# KiCad board VME_Backplane_3ActPas.kicad_pcb
title: 3 SLOT VMEBUS BACKPLANE W/ ACTIVE AND PASSIVE TERM.; date: 2024-01-04; rev: 1; company: TOM STOREY; note: FREE FOR NON-COMMERCIAL USE
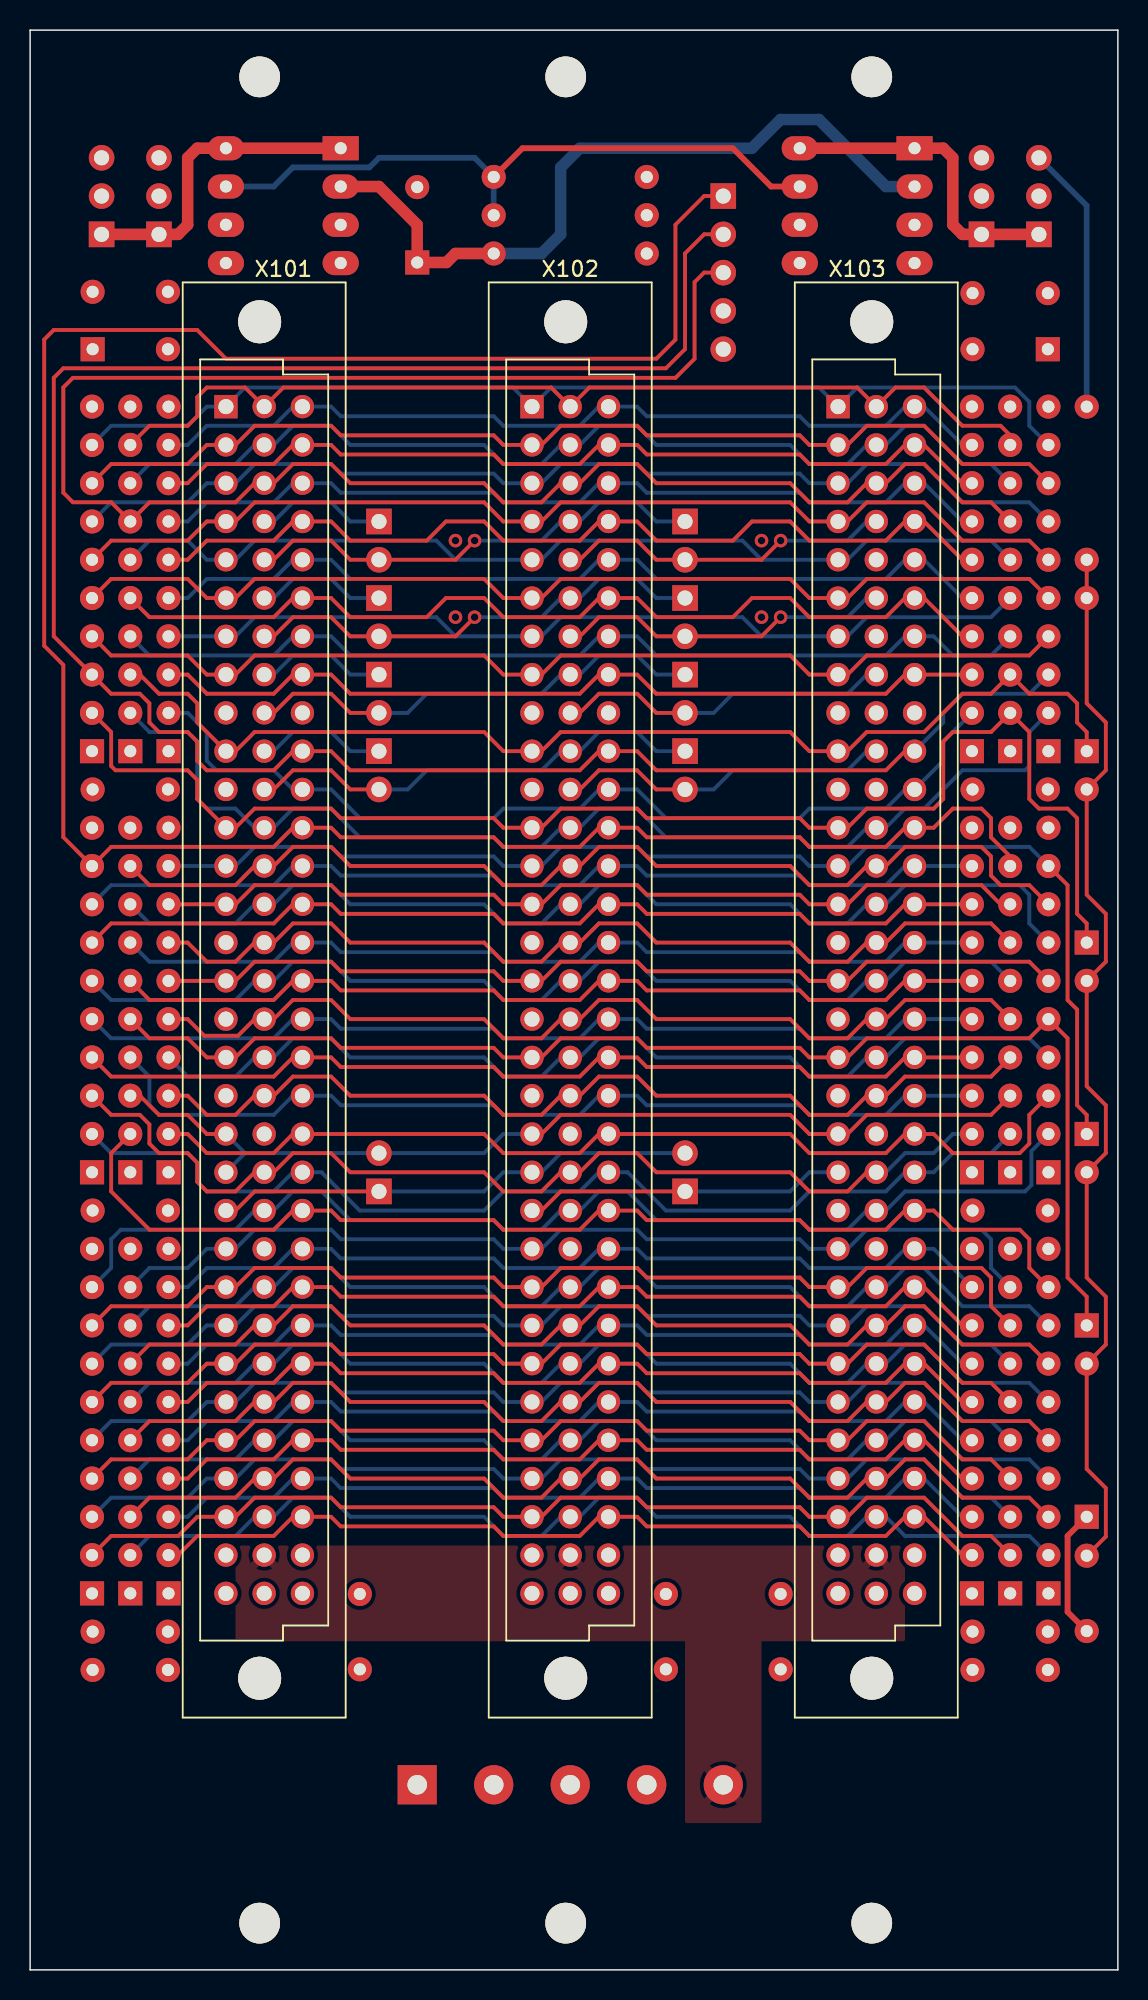
[diagram p0: board, top side]
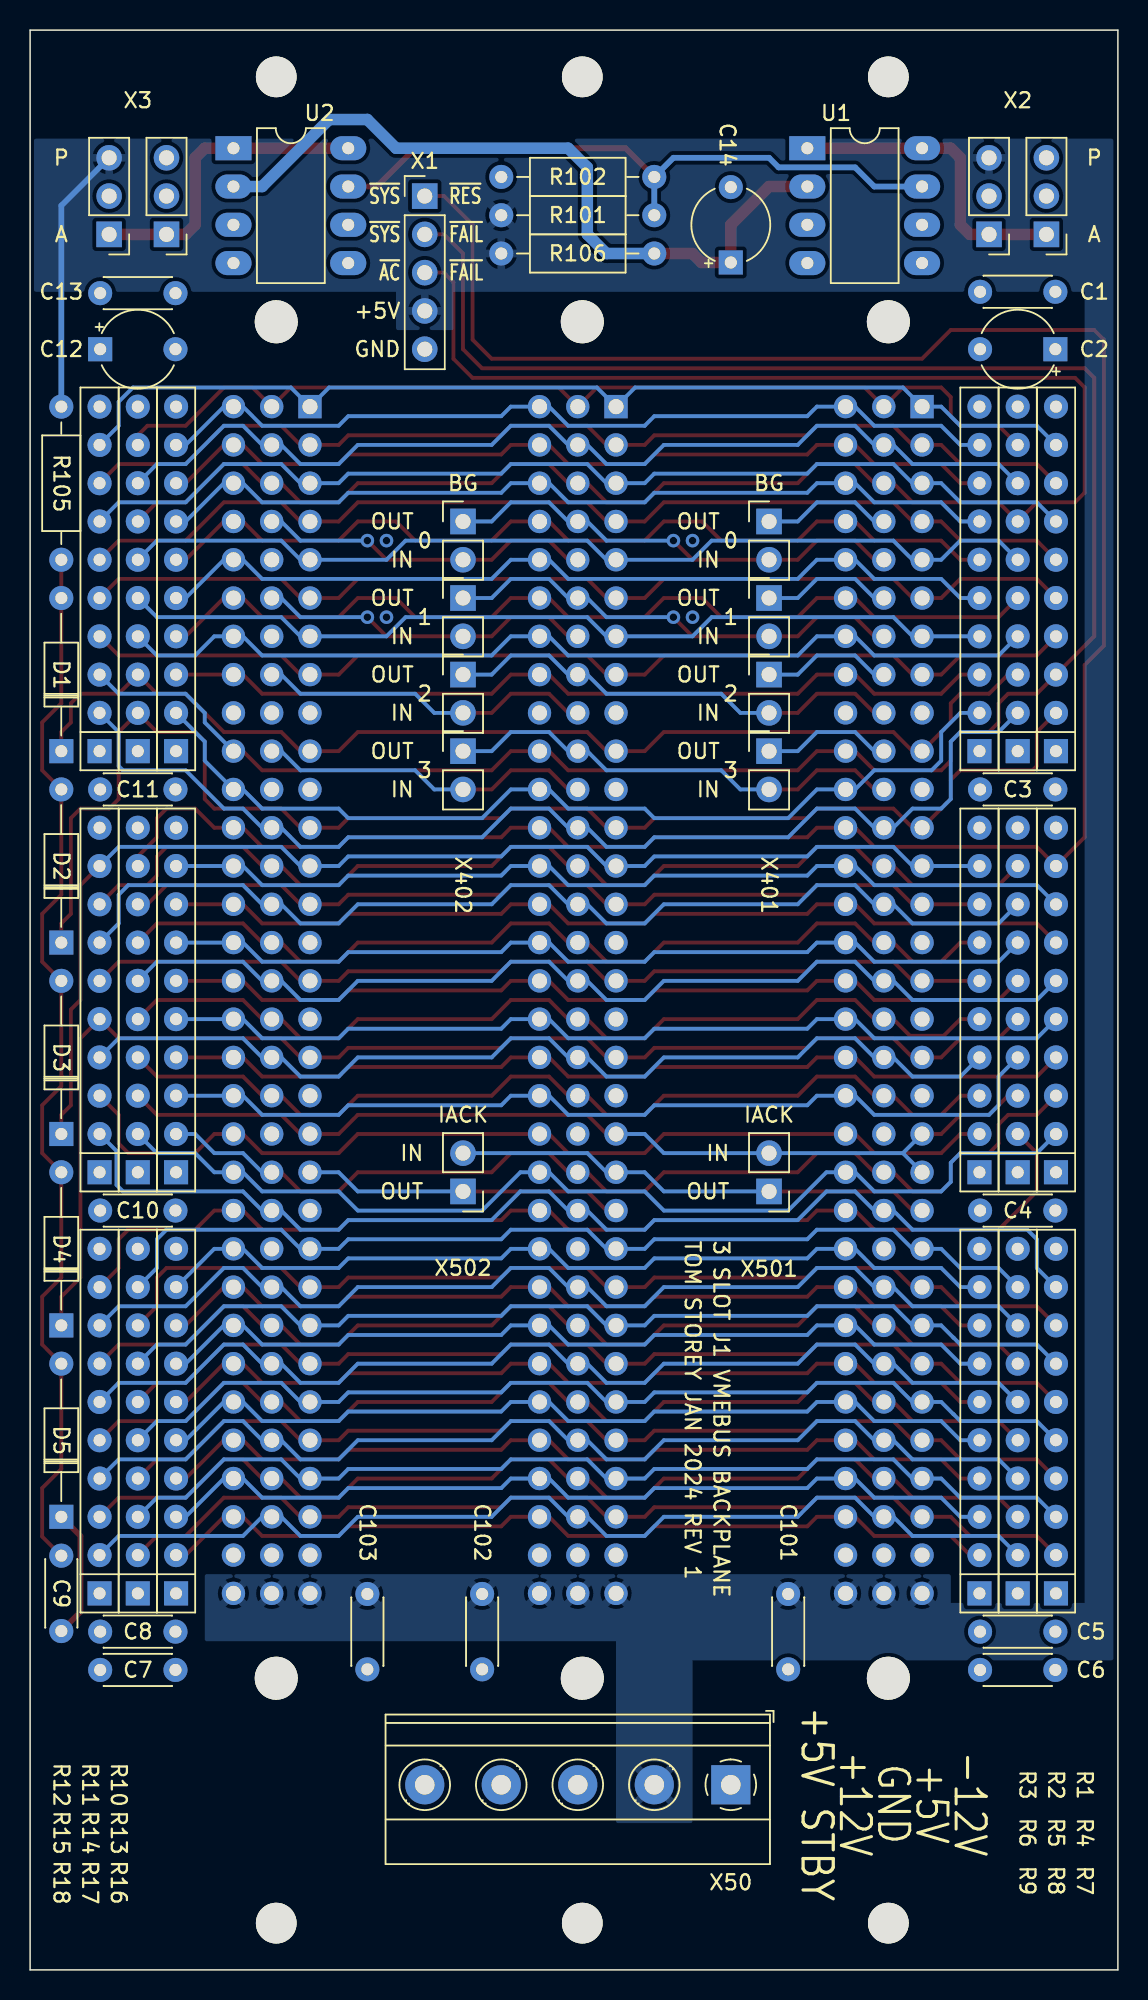
[diagram p1: board, bottom side, seen from below]

Outline 72.22 x 128.7 mm; copper layers: Top, In1.Cu, In2.Cu, Bottom. Coordinates in mm from the lower left corner of the outline.
Outline path: 0,128.7 0,0 72.22,0 72.22,128.7 0,128.7
Stack: Top 0.035mm / dielectric 1.51mm FR4 er 4.5 / In1.Cu 0.035mm / dielectric 1.51mm FR4 er 4.5 / In2.Cu 0.035mm / dielectric 1.51mm FR4 er 4.5 / Bottom 0.035mm

## Placement (name value [footprint] x y rotation side)
C1  100nF  [C_Disc_D4.3mm_W1.9mm_P5.00mm]  4.15 111.34 0 bottom
C2  10uF  [CP_Radial_Tantal_D5.0mm_P5.00mm]  4.15 107.53 0 bottom
C3  100nF  [C_Disc_D4.3mm_W1.9mm_P5.00mm]  4.15 78.32 0 bottom
C4  100nF  [C_Disc_D4.3mm_W1.9mm_P5.00mm]  4.15 50.38 0 bottom
C5  100nF  [C_Disc_D4.3mm_W1.9mm_P5.00mm]  4.15 22.44 0 bottom
C6  100nF  [C_Disc_D4.3mm_W1.9mm_P5.00mm]  4.15 19.9 0 bottom
C7  100nF  [C_Disc_D4.3mm_W1.9mm_P5.00mm]  67.57 19.9 180 bottom
C8  100nF  [C_Disc_D4.3mm_W1.9mm_P5.00mm]  67.57 22.44 180 bottom
C9  100nF  [C_Disc_D4.3mm_W1.9mm_P5.00mm]  70.15 27.48 270 bottom
C10  100nF  [C_Disc_D4.3mm_W1.9mm_P5.00mm]  67.57 50.38 180 bottom
C11  100nF  [C_Disc_D4.3mm_W1.9mm_P5.00mm]  67.57 78.32 180 bottom
C12  10uF  [CP_Radial_Tantal_D5.0mm_P5.00mm]  67.57 107.53 180 bottom
C13  100nF  [C_Disc_D4.3mm_W1.9mm_P5.00mm]  67.57 111.25 180 bottom
C14  10uF  [CP_Radial_Tantal_D5.0mm_P5.00mm]  25.7 113.29 90 bottom
C101  100nF  [C_Disc_D4.3mm_W1.9mm_P5.00mm]  21.89 24.94 270 bottom
C102  100nF  [C_Disc_D4.3mm_W1.9mm_P5.00mm]  42.21 24.94 270 bottom
C103  100nF  [C_Disc_D4.3mm_W1.9mm_P5.00mm]  49.83 24.94 270 bottom
D1  BAT42  [D_DO-35_SOD27_P10.16mm_Horizontal]  70.15 80.86 90 bottom
D2  BAT42  [D_DO-35_SOD27_P10.16mm_Horizontal]  70.15 68.16 90 bottom
D3  BAT42  [D_DO-35_SOD27_P10.16mm_Horizontal]  70.15 55.46 90 bottom
D4  BAT42  [D_DO-35_SOD27_P10.16mm_Horizontal]  70.15 42.76 90 bottom
D5  1N4148  [D_DO-35_SOD27_P10.16mm_Horizontal]  70.15 30.06 90 bottom
R1  330R/470R  [R_Array_SIP10]  4.11 80.86 90 bottom
R2  330R/470R  [R_Array_SIP10]  6.65 80.86 90 bottom
R3  330R/470R  [R_Array_SIP10]  9.19 80.86 90 bottom
R4  330R/470R  [R_Array_SIP10]  4.11 52.92 90 bottom
R5  330R/470R  [R_Array_SIP10]  6.65 52.92 90 bottom
R6  330R/470R  [R_Array_SIP10]  9.19 52.92 90 bottom
R7  330R/470R  [R_Array_SIP10]  4.11 24.98 90 bottom
R8  330R/470R  [R_Array_SIP10]  6.65 24.98 90 bottom
R9  330R/470R  [R_Array_SIP10]  9.19 24.98 90 bottom
R10  330R/470R  [R_Array_SIP10]  62.53 80.86 90 bottom
R11  330R/470R  [R_Array_SIP10]  65.07 80.86 90 bottom
R12  330R/470R  [R_Array_SIP10]  67.61 80.86 90 bottom
R13  330R/470R  [R_Array_SIP10]  62.53 52.92 90 bottom
R14  330R/470R  [R_Array_SIP10]  65.07 52.92 90 bottom
R15  330R/470R  [R_Array_SIP10]  67.61 52.92 90 bottom
R16  330R/470R  [R_Array_SIP10]  62.53 24.98 90 bottom
R17  330R/470R  [R_Array_SIP10]  65.07 24.98 90 bottom
R18  330R/470R  [R_Array_SIP10]  67.61 24.98 90 bottom
R101  330R  [R_Axial_DIN0207_L6.3mm_D2.5mm_P10.16mm_Horizontal]  40.94 116.42 180 bottom
R102  470R  [R_Axial_DIN0207_L6.3mm_D2.5mm_P10.16mm_Horizontal]  30.78 118.96 0 bottom
R105  220R  [R_Axial_DIN0207_L6.3mm_D2.5mm_P10.16mm_Horizontal]  70.15 103.72 270 bottom
R106  0R  [R_Axial_DIN0207_L6.3mm_D2.5mm_P10.16mm_Horizontal]  30.78 113.88 0 bottom
REF**  -  [MountingHole_2.7mm_M2.5]  55.88 125.6 0 top
REF**#2  -  [MountingHole_2.7mm_M2.5]  15.24 3.1 0 top
REF**#3  -  [MountingHole_2.7mm_M2.5]  15.24 125.6 0 top
REF**#4  -  [MountingHole_2.7mm_M2.5]  55.88 3.1 0 top
REF**#5  -  [MountingHole_2.7mm_M2.5]  35.56 3.1 0 top
REF**#6  -  [MountingHole_2.7mm_M2.5]  35.56 125.6 0 top
U1  TCA0372  [Package_DIP-8]  16.81 117.06 180 bottom
U2  TCA0372  [Package_DIP-8]  54.91 117.06 180 bottom
X1  Conn_01x05_Male  [PinHeader_1x05_P2.54mm_Vertical]  46.02 117.69 180 bottom
X2H1  HI_L  [PinHeader_1x03_P2.54mm_Vertical]  8.55 115.15 0 bottom
X2L1  LO_L  [PinHeader_1x03_P2.54mm_Vertical]  4.74 115.15 0 bottom
X3H1  HI_R  [PinHeader_1x03_P2.54mm_Vertical]  66.97 115.15 0 bottom
X3L1  LO_R  [PinHeader_1x03_P2.54mm_Vertical]  63.16 115.15 0 bottom
X50  Conn_01x05  [TerminalBlock_Phoenix_MKDS-1,5-5-5.08_1x05_P5.08mm_Horizontal]  25.7 12.28 0 bottom
X101  DIN41612_03x32_ABC_VMEbus  [Connector_DIN41612_C_3x32_Female_Vertical_THT]  13 103.72 0 top
X102  DIN41612_03x32_ABC_VMEbus  [Connector_DIN41612_C_3x32_Female_Vertical_THT]  33.32 103.72 0 top
X103  DIN41612_03x32_ABC_VMEbus  [Connector_DIN41612_C_3x32_Female_Vertical_THT]  53.64 103.72 0 top
X401A1  Jumper_2_Open  [PinHeader_1x02_P2.54mm_Vertical]  23.16 96.1 180 bottom
X401B1  Jumper_2_Open  [PinHeader_1x02_P2.54mm_Vertical]  23.16 91.02 180 bottom
X401C1  Jumper_2_Open  [PinHeader_1x02_P2.54mm_Vertical]  23.16 85.94 180 bottom
X401D1  Jumper_2_Open  [PinHeader_1x02_P2.54mm_Vertical]  23.16 80.86 180 bottom
X402A1  Jumper_2_Open  [PinHeader_1x02_P2.54mm_Vertical]  43.48 96.1 180 bottom
X402B1  Jumper_2_Open  [PinHeader_1x02_P2.54mm_Vertical]  43.48 91.02 180 bottom
X402C1  Jumper_2_Open  [PinHeader_1x02_P2.54mm_Vertical]  43.48 85.94 180 bottom
X402D1  Jumper_2_Open  [PinHeader_1x02_P2.54mm_Vertical]  43.48 80.86 180 bottom
X501  Jumper_2_Open  [PinHeader_1x02_P2.54mm_Vertical]  23.16 51.65 0 bottom
X502  Jumper_2_Open  [PinHeader_1x02_P2.54mm_Vertical]  43.48 51.65 0 bottom

## Library data of the parts
D1-D5 = -: Field4: K

## Footprints (pads in the part's own frame, mm; a bottom-side part is the same pattern mirrored in y, then rotated)
C_Disc_D4.3mm_W1.9mm_P5.00mm
  round 1.6 hole 0.8: 1(0,0) 2(5,0)
Connector_DIN41612_C_3x32_Female_Vertical_THT
  round 2.85 hole 2.85 unplated: (2.24,5.63) (2.24,-84.37)
  rect 1.55x1.55 hole 1: a1(0,0)
  round 1.55 hole 1: a2(0,-2.54) a3(0,-5.08) a4(0,-7.62) a5(0,-10.16) a6(0,-12.7) a7(0,-15.24) a8(0,-17.78) a9(0,-20.32) a10(0,-22.86) a11(0,-25.4) a12(0,-27.94) a13(0,-30.48) a14(0,-33.02) a15(0,-35.56) a16(0,-38.1) a17(0,-40.64) a18(0,-43.18) a19(0,-45.72) a20(0,-48.26) a21(0,-50.8) a22(0,-53.34) a23(0,-55.88) a24(0,-58.42) a25(0,-60.96) a26(0,-63.5) a27(0,-66.04) a28(0,-68.58) a29(0,-71.12) a30(0,-73.66) a31(0,-76.2) a32(0,-78.74) b1(2.54,0) b2(2.54,-2.54) b3(2.54,-5.08) b4(2.54,-7.62) b5(2.54,-10.16) b6(2.54,-12.7) b7(2.54,-15.24) b8(2.54,-17.78) b9(2.54,-20.32) b10(2.54,-22.86) b11(2.54,-25.4) b12(2.54,-27.94) b13(2.54,-30.48) b14(2.54,-33.02) b15(2.54,-35.56) b16(2.54,-38.1) b17(2.54,-40.64) b18(2.54,-43.18) b19(2.54,-45.72) b20(2.54,-48.26) b21(2.54,-50.8) b22(2.54,-53.34) b23(2.54,-55.88) b24(2.54,-58.42) b25(2.54,-60.96) b26(2.54,-63.5) b27(2.54,-66.04) b28(2.54,-68.58) b29(2.54,-71.12) b30(2.54,-73.66) b31(2.54,-76.2) b32(2.54,-78.74) c1(5.08,0) c2(5.08,-2.54) c3(5.08,-5.08) c4(5.08,-7.62) c5(5.08,-10.16) c6(5.08,-12.7) c7(5.08,-15.24) c8(5.08,-17.78) c9(5.08,-20.32) c10(5.08,-22.86) c11(5.08,-25.4) c12(5.08,-27.94) c13(5.08,-30.48) c14(5.08,-33.02) c15(5.08,-35.56) c16(5.08,-38.1) c17(5.08,-40.64) c18(5.08,-43.18) c19(5.08,-45.72) c20(5.08,-48.26) c21(5.08,-50.8) c22(5.08,-53.34) c23(5.08,-55.88) c24(5.08,-58.42) c25(5.08,-60.96) c26(5.08,-63.5) c27(5.08,-66.04) c28(5.08,-68.58) c29(5.08,-71.12) c30(5.08,-73.66) c31(5.08,-76.2) c32(5.08,-78.74)
CP_Radial_Tantal_D5.0mm_P5.00mm
  rect 1.6x1.6 hole 0.8: 1(0,0)
  round 1.6 hole 0.8: 2(5,0)
D_DO-35_SOD27_P10.16mm_Horizontal
  rect 1.6x1.6 hole 0.8: 1(0,0)
  oval 1.6x1.6 hole 0.8: 2(10.16,0)
MountingHole_2.7mm_M2.5
  round 2.7 hole 2.7 unplated: (0,0)
Package_DIP-8
  rect 2.4x1.6 hole 0.8: 1(-3.81,3.81)
  oval 2.4x1.6 hole 0.8: 2(-3.81,1.27) 3(-3.81,-1.27) 4(-3.81,-3.81) 5(3.81,-3.81) 6(3.81,-1.27) 7(3.81,1.27) 8(3.81,3.81)
PinHeader_1x02_P2.54mm_Vertical
  rect 1.7x1.7 hole 1: 1(0,0)
  oval 1.7x1.7 hole 1: 2(0,-2.54)
PinHeader_1x03_P2.54mm_Vertical
  rect 1.7x1.7 hole 1: 1(0,0)
  oval 1.7x1.7 hole 1: 2(0,-2.54) 3(0,-5.08)
PinHeader_1x05_P2.54mm_Vertical
  rect 1.7x1.7 hole 1: 1(0,0)
  oval 1.7x1.7 hole 1: 2(0,-2.54) 3(0,-5.08) 4(0,-7.62) 5(0,-10.16)
R_Array_SIP10
  rect 1.6x1.6 hole 0.8: 1(0,0)
  oval 1.6x1.6 hole 0.8: 2(2.54,0) 3(5.08,0) 4(7.62,0) 5(10.16,0) 6(12.7,0) 7(15.24,0) 8(17.78,0) 9(20.32,0) 10(22.86,0)
R_Axial_DIN0207_L6.3mm_D2.5mm_P10.16mm_Horizontal
  round 1.6 hole 0.8: 1(0,0)
  oval 1.6x1.6 hole 0.8: 2(10.16,0)
TerminalBlock_Phoenix_MKDS-1,5-5-5.08_1x05_P5.08mm_Horizontal
  rect 2.6x2.6 hole 1.3: 1(0,0)
  round 2.6 hole 1.3: 2(5.08,0) 3(10.16,0) 4(15.24,0) 5(20.32,0)

## Nets
+5V: C101.1 C102.1 C103.1 R101.1 R105.1 R106.2 X1.4 X2H1.3 X3H1.3 X50.2 X101.a32 X101.b32 X101.c32 X102.a32 X102.b32 X102.c32 X103.a32 X103.b32 X103.c32
+12V: X50.4 X101.c31 X102.c31 X103.c31
-12V: X50.1 X101.a31 X102.a31 X103.a31
GND: C1.2 C2.2 C3.2 C4.2 C5.2 C6.2 C7.2 C8.2 C9.2 C10.2 C11.2 C12.2 C13.2 C14.2 C101.2 C102.2 C103.2 D5.1 R102.2 U1.4 U2.4 X1.5 X2L1.3 X3L1.3 X50.3 X101.a9 X101.a11 X101.a15 X101.a17 X101.a19 X101.b20 X101.b23 X101.c9 X102.a9 X102.a11 X102.a15 X102.a17 X102.a19 X102.b20 X102.b23 X102.c9 X103.a9 X103.a11 X103.a15 X103.a17 X103.a19 X103.b20 X103.b23 X103.c9
+BATT: X50.5 X101.b31 X102.b31 X103.b31
/Termination Resistors/HI_L: C1.1 C2.1 C3.1 C4.1 C5.1 C6.1 R1.10 R2.10 R3.10 R4.10 R5.10 R6.10 R7.10 R8.10 R9.10 X2H1.2
/Termination Resistors/HI_R: C7.1 C8.1 C10.1 C11.1 C12.1 C13.1 R10.10 R11.10 R12.10 R13.10 R14.10 R15.10 R16.10 R17.10 R18.10 X3H1.2
/Termination Resistors/LO_L: R1.1 R2.1 R3.1 R4.1 R5.1 R6.1 R7.1 R8.1 R9.1 X2L1.2
/Termination Resistors/LO_R: R10.1 R11.1 R12.1 R13.1 R14.1 R15.1 R16.1 R17.1 R18.1 X3L1.2
A1: R7.2 R17.2 X101.a30 X102.a30 X103.a30
A2: R7.3 R17.3 X101.a29 X102.a29 X103.a29
A3: R7.4 R17.4 X101.a28 X102.a28 X103.a28
A4: R7.5 R17.5 X101.a27 X102.a27 X103.a27
A5: R7.6 R17.6 X101.a26 X102.a26 X103.a26
A6: R7.7 R17.7 X101.a25 X102.a25 X103.a25
A7: R7.8 R17.8 X101.a24 X102.a24 X103.a24
A8: R9.2 R16.2 X101.c30 X102.c30 X103.c30
A9: R9.3 R16.3 X101.c29 X102.c29 X103.c29
A10: R9.4 R16.4 X101.c28 X102.c28 X103.c28
A11: R9.5 R16.5 X101.c27 X102.c27 X103.c27
A12: R9.6 R16.6 X101.c26 X102.c26 X103.c26
A13: R9.7 R16.7 X101.c25 X102.c25 X103.c25
A14: R9.8 R16.8 X101.c24 X102.c24 X103.c24
A15: R9.9 R16.9 X101.c23 X102.c23 X103.c23
A16: R5.2 R18.9 X101.c22 X102.c22 X103.c22
A17: R4.2 R14.2 X101.c21 X102.c21 X103.c21
A18: R6.2 R15.3 X101.c20 X102.c20 X103.c20
A19: R5.4 R13.3 X101.c19 X102.c19 X103.c19
A20: R4.4 R13.4 X101.c18 X102.c18 X103.c18
A21: R4.5 R13.5 X101.c17 X102.c17 X103.c17
A22: R5.6 R13.6 X101.c16 X102.c16 X103.c16
A23: R5.7 R13.7 X101.c15 X102.c15 X103.c15
AM: R8.9 R17.9 X101.a23 X102.a23 X103.a23
AM0: R4.6 R14.6 X101.b16 X102.b16 X103.b16
AM1: R6.5 R14.5 X101.b17 X102.b17 X103.b17
AM2: R6.4 R15.4 X101.b18 X102.b18 X103.b18
AM3: R6.3 R14.4 X101.b19 X102.b19 X103.b19
AM5: R4.7 R13.8 X101.c14 X102.c14 X103.c14
D0: R1.9 R12.9 X101.a1 X102.a1 X103.a1
D1: R1.8 R12.8 X101.a2 X102.a2 X103.a2
D2: R1.7 R12.7 X101.a3 X102.a3 X103.a3
D3: R1.6 R12.6 X101.a4 X102.a4 X103.a4
D4: R2.6 R11.6 X101.a5 X102.a5 X103.a5
D5: R1.5 R12.5 X101.a6 X102.a6 X103.a6
D6: R3.4 R11.5 X101.a7 X102.a7 X103.a7
D7: R1.4 R12.4 X101.a8 X102.a8 X103.a8
D8: R3.9 R10.9 X101.c1 X102.c1 X103.c1
D9: R3.8 R10.8 X101.c2 X102.c2 X103.c2
D10: R3.7 R10.7 X101.c3 X102.c3 X103.c3
D11: R3.6 R10.6 X101.c4 X102.c4 X103.c4
D12: R3.5 R10.5 X101.c5 X102.c5 X103.c5
D13: R2.5 R10.4 X101.c6 X102.c6 X103.c6
D14: R2.4 R11.4 X101.c7 X102.c7 X103.c7
D15: R3.3 R10.3 X101.c8 X102.c8 X103.c8
SERCLK: R4.3 R13.2 X101.b21 X102.b21 X103.b21
SYSCLK: D1.1 R2.3 R11.3 X101.a10 X102.a10 X103.a10
T_L: U1.1 U1.8 X2H1.1 X2L1.1
T_R: U2.1 U2.8 X3H1.1 X3L1.1
~{ACFAIL}: R2.7 R11.7 X1.3 X101.b3 X102.b3 X103.b3
~{AS}: D4.1 R5.5 R15.5 X101.a18 X102.a18 X103.a18
~{BBSY}: R2.9 R11.9 X101.b1 X102.b1 X103.b1
~{BCLR}: R2.8 R11.8 X101.b2 X102.b2 X103.b2
~{BERR}: R3.2 R10.2 X101.c11 X102.c11 X103.c11
~{BG0OUT_1}: X101.b5 X102.b4 X401A1.2 X402A1.1
~{BG0OUT_2}: X102.b5 X103.b4 X402A1.2
~{BG1OUT_1}: X101.b7 X102.b6 X401B1.2 X402B1.1
~{BG1OUT_2}: X102.b7 X103.b6 X402B1.2
~{BG2OUT_1}: X101.b9 X102.b8 X401C1.2 X402C1.1
~{BG2OUT_2}: X102.b9 X103.b8 X402C1.2
~{BG3OUT_1}: X101.b11 X102.b10 X401D1.2 X402D1.1
~{BG3OUT_2}: X102.b11 X103.b10 X402D1.2
~{BR0}: R2.2 R12.2 X101.b12 X102.b12 X103.b12
~{BR1}: R5.9 R15.8 X101.b13 X102.b13 X103.b13
~{BR2}: R5.8 R15.7 X101.b14 X102.b14 X103.b14
~{BR3}: R6.7 R14.7 X101.b15 X102.b15 X103.b15
~{DS0}: D3.1 R6.9 R15.9 X101.a13 X102.a13 X103.a13
~{DS1}: D2.1 R1.2 R11.2 X101.a12 X102.a12 X103.a12
~{DTACK}: R6.6 R15.6 X101.a16 X102.a16 X103.a16
~{IACKOUT_1}: X101.a22 X102.a21 X501.1 X502.2
~{IACKOUT_2}: X102.a22 X103.a21 X502.1
~{IACK}: R5.3 R14.3 X101.a20 X101.a21 X102.a20 X103.a20 X501.2
~{IRQ1}: R8.2 R18.2 X101.b30 X102.b30 X103.b30
~{IRQ2}: R8.3 R18.3 X101.b29 X102.b29 X103.b29
~{IRQ3}: R8.4 R18.4 X101.b28 X102.b28 X103.b28
~{IRQ4}: R8.5 R18.5 X101.b27 X102.b27 X103.b27
~{IRQ5}: R8.6 R18.6 X101.b26 X102.b26 X103.b26
~{IRQ6}: R8.7 R18.7 X101.b25 X102.b25 X103.b25
~{IRQ7}: R8.8 R18.8 X101.b24 X102.b24 X103.b24
~{LWORD}: R4.8 R13.9 X101.c13 X102.c13 X103.c13
~{SERDAT}: R7.9 R15.2 X101.b22 X102.b22 X103.b22
~{SYSFAIL}: R1.3 R12.3 X1.2 X101.c10 X102.c10 X103.c10
~{SYSRESET}: R4.9 R14.9 X1.1 X101.c12 X102.c12 X103.c12
~{WRITE}: R6.8 R14.8 X101.a14 X102.a14 X103.a14
Net-(C9-Pad1): C9.1 D1.2 D2.2 D3.2 D4.2 D5.2 R105.2
Net-(C14-Pad1): C14.1 R106.1 U1.2 U2.2
Net-(R101-Pad2): R101.2 R102.1 U1.7 U2.7
Net-(X101-Padb4): X101.b4 X401A1.1
Net-(X101-Padb6): X101.b6 X401B1.1
Net-(X101-Padb8): X101.b8 X401C1.1
Net-(X101-Padb10): X101.b10 X401D1.1

Pads without a net: U1 3 5 6; U2 3 5 6; X103 a22 b5 b7 b9 b11

## Via types
v1: diameter 0.9, hole 0.5, Top to Bottom, 8 vias

## Routing (per net, layer and track width the routed paths; a pad name or vN(x,y) marks a point on that pad's centre or on a via; arc(x,y) is an arc through that point)
+5V: length 17.8
  Bottom w0.381: X3H1.3 70.15,117.06 R105.1
GND: length 8.6
  Top w0.381: C9.2 68.88,23.75 68.88,28.79 D5.1
  vias: v1(28.24,94.83) v1(28.24,89.75) v1(48.56,94.83) v1(48.56,89.75)
A1: length 66.2
  Top w0.254: R7.2 5.38,28.79 9.82,28.79 11.09,30.06 X101.a30 13.63,30.06 14.91,31.33 19.98,31.33 20.62,30.7 30.78,30.7 31.41,30.06 X102.a30 33.96,30.06 35.23,31.33 40.3,31.33 40.94,30.7 51.1,30.7 51.73,30.06 X103.a30 54.27,30.06 55.54,31.33 59.35,31.33 61.9,28.79 63.8,28.79 R17.2
A2: length 66.2
  Bottom w0.254: R17.3 63.8,31.33 61.9,31.33 59.35,33.87 55.54,33.87 54.27,32.6 X103.a29 51.73,32.6 51.1,33.24 40.94,33.24 40.3,33.87 35.23,33.87 33.96,32.6 X102.a29 31.41,32.6 30.78,33.24 20.62,33.24 19.98,33.87 14.91,33.87 13.63,32.6 X101.a29 11.73,32.6 10.46,31.33 5.38,31.33 R7.3
A3: length 66.2
  Top w0.254: R17.4 63.8,33.87 61.9,33.87 59.35,36.41 55.54,36.41 54.27,35.14 X103.a28 51.73,35.14 51.1,35.78 40.94,35.78 40.3,36.41 35.23,36.41 33.96,35.14 X102.a28 31.41,35.14 30.78,35.78 20.62,35.78 19.98,36.41 14.91,36.41 13.63,35.14 X101.a28 11.73,35.14 10.46,33.87 5.38,33.87 R7.4
A4: length 66.2
  Bottom w0.254: R17.5 63.8,36.41 61.9,36.41 59.35,38.95 55.54,38.95 54.27,37.68 X103.a27 51.73,37.68 51.1,38.32 40.94,38.32 40.3,38.95 35.23,38.95 33.96,37.68 X102.a27 31.41,37.68 30.78,38.32 20.62,38.32 19.98,38.95 14.91,38.95 13.63,37.68 X101.a27 11.73,37.68 10.91,36.86 10.91,36.86 10.45,36.41 5.38,36.41 R7.5
A5: length 66.2
  Top w0.254: R7.6 5.38,38.95 10.46,38.95 11.73,40.22 X101.a26 13.63,40.22 14.91,41.49 19.98,41.49 20.62,40.86 30.78,40.86 31.41,40.22 X102.a26 33.96,40.22 35.23,41.49 40.3,41.49 40.94,40.86 51.1,40.86 51.73,40.22 X103.a26 54.27,40.22 55.54,41.49 59.35,41.49 61.9,38.95 63.8,38.95 R17.6
A6: length 66.2
  Bottom w0.254: R17.7 63.8,41.49 61.9,41.49 59.35,44.03 55.54,44.03 54.27,42.76 X103.a25 51.73,42.76 51.1,43.4 40.94,43.4 40.3,44.03 35.23,44.03 33.96,42.76 X102.a25 31.41,42.76 30.78,43.4 20.62,43.4 19.98,44.03 14.91,44.03 13.63,42.76 X101.a25 11.73,42.76 10.91,41.94 10.91,41.94 10.45,41.49 5.38,41.49 R7.7
A7: length 67.3
  Top w0.254: R17.8 63.8,44.03 63.8,45.94 63.16,46.57 55.54,46.57 54.27,45.3 X103.a24 51.73,45.3 51.1,45.94 40.94,45.94 40.3,46.57 35.23,46.57 33.96,45.3 X102.a24 31.41,45.3 30.78,45.94 20.62,45.94 19.98,46.57 14.91,46.57 13.63,45.3 X101.a24 11.73,45.3 10.46,44.03 5.38,44.03 R7.8
A8: length 57.5
  Top w0.254: R9.2 9.82,27.52 11.09,28.79 16.17,28.79 17.45,30.06 X101.c30 19.98,30.06 20.62,29.43 30.78,29.43 31.41,28.79 36.49,28.79 37.76,30.06 X102.c30 40.3,30.06 40.94,29.43 51.1,29.43 51.73,28.79 56.82,28.79 58.09,30.06 X103.c30 59.35,30.06 61.9,27.52 R16.2
A9: length 57.5
  Bottom w0.254: R9.3 10.46,30.06 11.73,31.33 16.17,31.33 17.45,32.6 X101.c29 19.98,32.6 20.62,31.97 30.78,31.97 31.41,31.33 36.49,31.33 37.76,32.6 X102.c29 40.3,32.6 40.94,31.97 51.1,31.97 51.73,31.33 56.82,31.33 58.09,32.6 X103.c29 59.35,32.6 61.9,30.06 R16.3
A10: length 57.5
  Top w0.254: R16.4 61.9,32.6 59.35,35.14 X103.c28 58.09,35.14 56.82,33.87 51.73,33.87 51.1,34.51 40.94,34.51 40.3,35.14 X102.c28 37.76,35.14 36.49,33.87 31.41,33.87 30.78,34.51 20.62,34.51 19.98,35.14 X101.c28 17.45,35.14 16.17,33.87 11.73,33.87 10.46,32.6 R9.4